# Altium PCB MAIN.PcbDoc
Units mm, origin at the board's own origin, x right, y up, seen from the top; angles counter-clockwise.
Board outline 85 x 50 mm, 2 copper layers (Top Layer, Bottom Layer), stack 1.571 mm thick; 37 components, 38 nets, 158 pads, 6 vias.
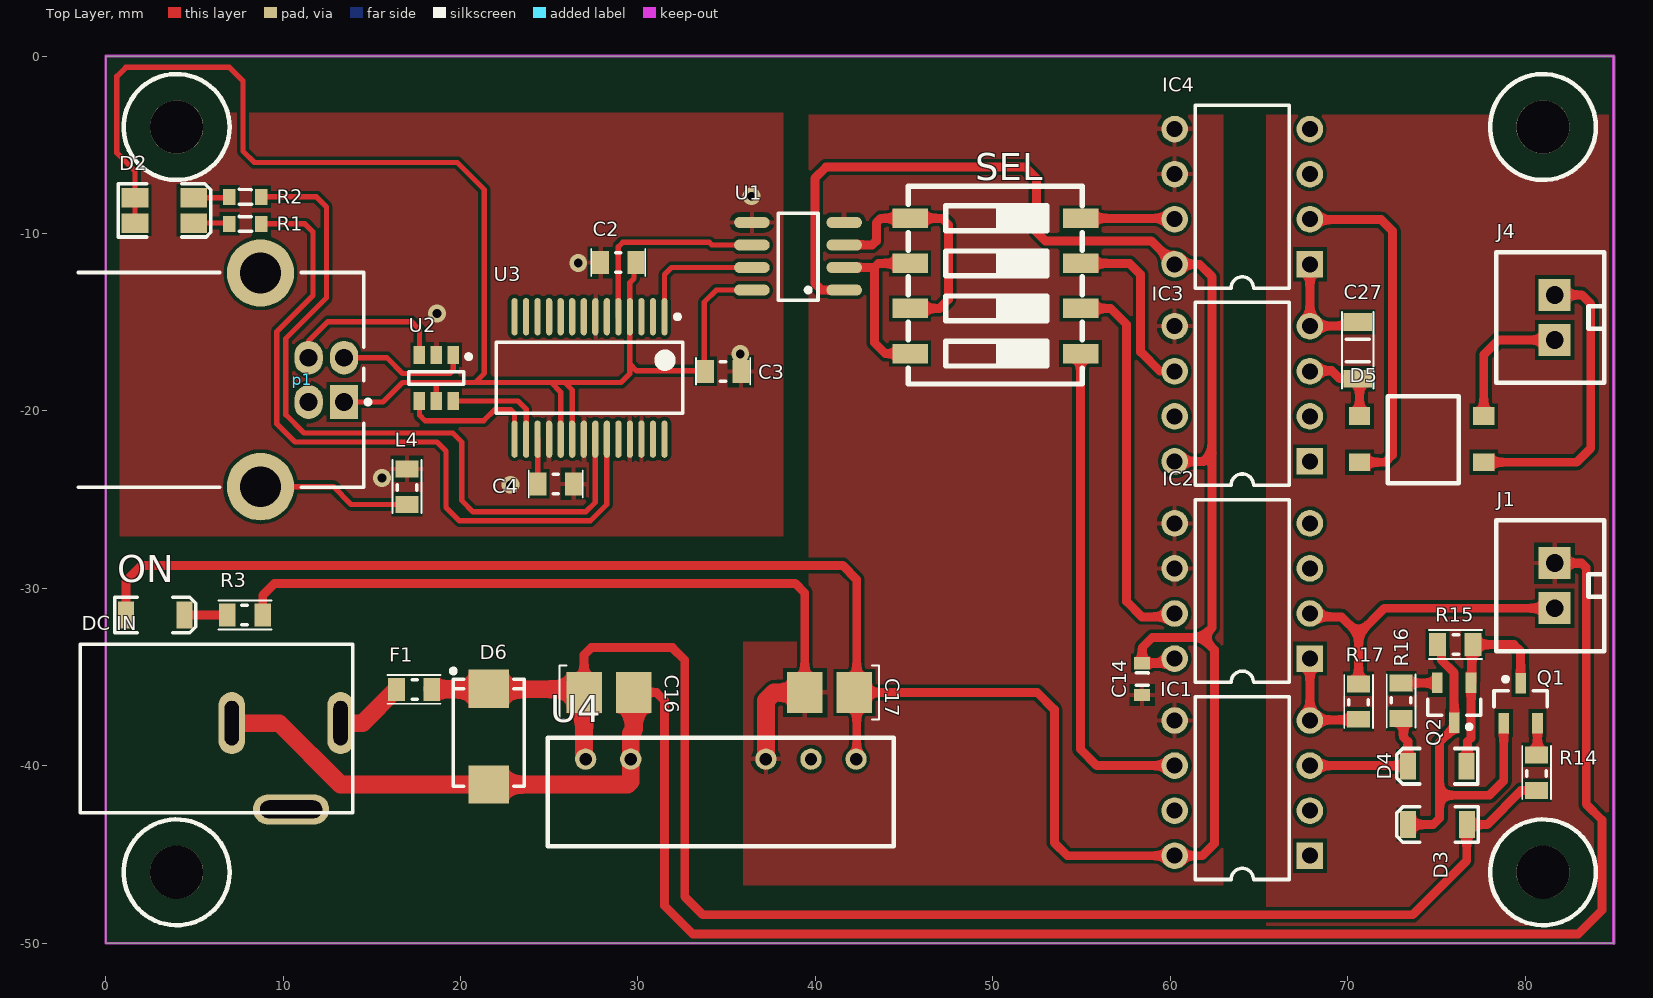
[diagram p0: Top Layer view]
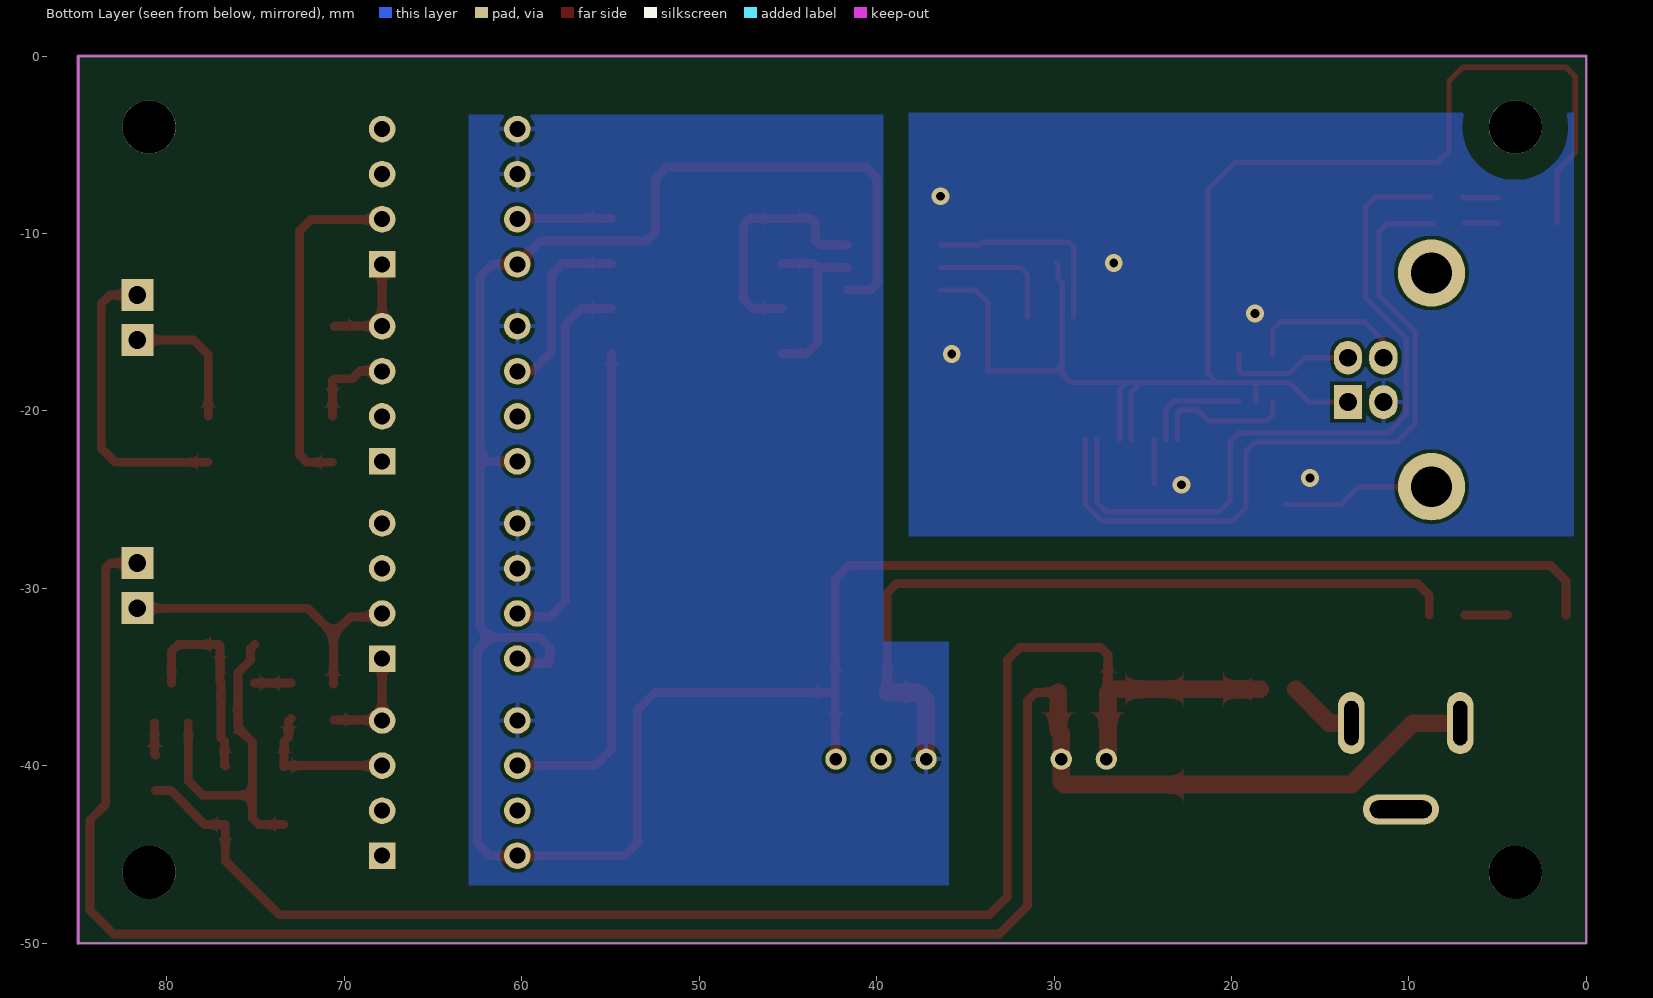
[diagram p1: Bottom Layer view, seen from below]
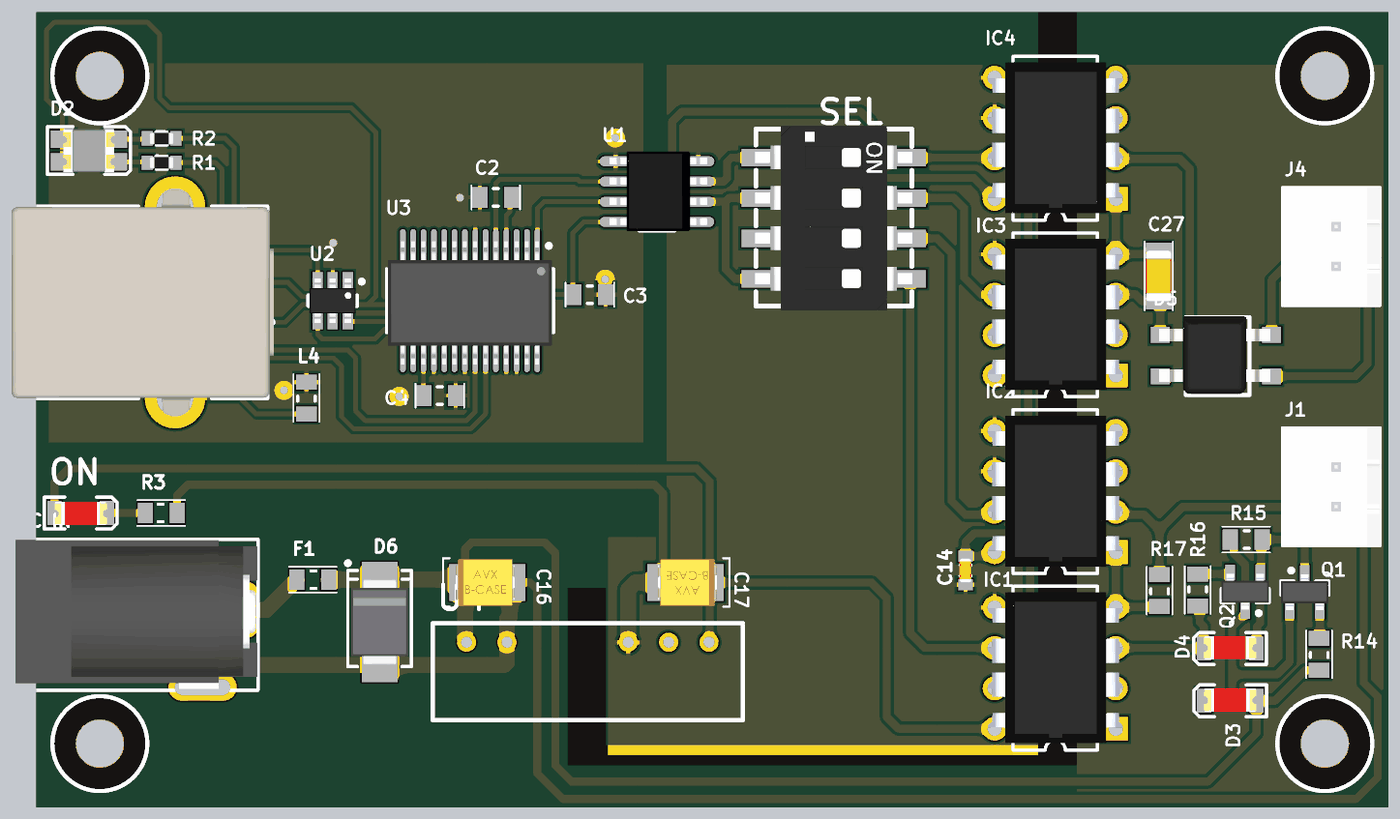
[diagram p2: 3D render of the assembled board from above, using the file's embedded part models]

## Layer stack, top to bottom
Top Solder: solder mask 0.0102, Solder Resist, Dk 3.5
Top Layer: signal copper 0.0356
Dielectric 1: dielectric 1.5, FR-4, Dk 4.8
Bottom Layer: signal copper 0.0356
Bottom Solder: solder mask 0.0102, Solder Resist, Dk 3.5

## Board outline
0,-50 0,0 85,0 85,-50

## Design rules (kind name [scope] priority, off if disabled: settings)
Clearance [All] p1: gap=0.2 ignorepadtopadclearanceinfootprint=FALSE
PolygonConnect PolygonConnect_1 [(InNet('GND') OR InNet('GND1') OR InNet('GND2') OR InNet('GND3')) vs IsVia] p1: connectstyle=Direct reliefconductorwidth=0.254 reliefentries=4 polygonreliefangle="90 Angle" airgapwidth=0.254
PolygonConnect [All] p2: connectstyle=Relief reliefconductorwidth=0.254 reliefentries=4 polygonreliefangle="90 Angle" airgapwidth=0.254
RoomDefinition MASTER [InComponentClass('MASTER')] p1: confinementstyle=ConfineIn formatcopy=TRUE lockcomponents=FALSE outline -4.318,-50.038 85,-50.038 85,-24.765 -4.318,-24.765
RoomDefinition SLAVE [InComponentClass('SLAVE')] p2: confinementstyle=ConfineIn formatcopy=TRUE lockcomponents=FALSE outline 57.137,-24.384 85,-24.384 85,-0.233 57.137,-0.233
RoomDefinition USB [InComponentClass('USB')] p3: confinementstyle=ConfineIn formatcopy=TRUE lockcomponents=FALSE outline -1.901,-27.178 44.2,-27.178 44.2,-2.697 -1.901,-2.697
RoutingVias [All] p1: holewidth=0.5 width=1 viastyle="Through Hole" minholewidth=0.5 minwidth=1 maxholewidth=5 maxwidth=1
SolderMaskExpansion [All] p1: expansion=0.102
Width [All] p1: maxlimit=1 minlimit=0.2 preferedwidth=0.3
30 further rules are at their usual default settings.

## Classes and differential pairs
component class Main: SEL
component class MASTER: C14 C16 C17 D3 D4 D6 "DC IN" F1 IC1 IC2 J1 ON Q1 Q2 R3 R14 R15 R16 R17 U4
component class SLAVE: C27 D5 IC3 IC4 J4
component class USB: C2 C3 C4 D2 L4 p1 R1 R2 U1 U2 U3

## Components (designator, comment, footprint, x,y, rotation, side; value= is the part's Value field where it differs from the comment)
C2 "100nF" C805 28.888,-11.642 r0 top
C3 "100nF" C805 34.798,-17.765 r180 top
C4 "100nF" C805 25.366,-24.109 r180 top
C14 "100nF" C603 58.417,-35.107 r90 top
C16 "10uF" CAP-TAN-B 28.232,-35.865 r0 top
C17 "10uF" CAP-TAN-B 40.932,-35.865 r180 top
C27 "1nF" C1206 70.561,-16.586 r90 top
D2 "LED-RG" LED-1210 3.306,-8.696 r0 top
D3 "LED" LED-1206 75.057,-43.307 r180 top
D4 "LED" LED-1206 75.041,-40.022 r180 top
D5 "HD08" MINIDIP 74.041,-21.59 r0 top
D6 "SMBJ12A" DO-214AA 21.59,-38.354 r0 top
"DC IN" "JACK" jack-dc 7.471,-41.112 r90 top
F1 "Fuse 1" PTC-0805 17.391,-35.678 r180 top
IC1 "HCPL-4100" DIP-8 64.259,-41.711 r90 top
IC2 "HCPL-4200" DIP-8 64.259,-30.601 r90 top
IC3 "HCPL-4100" DIP-8 64.259,-19.492 r90 top
IC4 "HCPL-4200" DIP-8 64.259,-8.382 r90 top
J1 "CONN-2" XH-2 81.661,-31.115 r90 top
J4 "CONN-2" XH-2 81.661,-16.002 r90 top
L4 "1K" r805 16.986,-24.267 r90 top
ON "LED" LED-1206 2.794,-31.496 r0 top
p1 "USB Connector" USB2-B-R -1.573,-18.247 r180 top
Q1 "BC856ALT1" SOT-23 79.74,-36.466 r90 top
Q2 "BC846ALT1" SOT-23 75.996,-36.448 r270 top
R1 "330" R0603 7.878,-9.458 r180 top
R2 "330" R0603 7.878,-7.934 r180 top
R3 "220" R805 7.858,-31.496 r0 top
R14 "100" R805 80.645,-40.386 r90 top
R15 "330K" R805 76.057,-33.164 r180 top
R16 "100" R805 73.009,-36.339 r270 top
R17 "470" R805 70.609,-36.377 r90 top
SEL "SW-DIP4" DIPSW-4-SMD 50.139,-12.954 r270 top
U1 "ADUM1201" soic-8n 41.622,-13.187 r180 top
U2 "USBLC6-2" SOT-23-6 18.635,-18.14 r270 top
U3 "FT232RL" SSOP-28N 27.271,-18.14 r270 top
U4 "MAU202" MAU202 34.671,-39.624 r0 top

## Footprints (in the part's own frame and the unit in brackets; to place one, negate y for a bottom-side part, rotate by r counter-clockwise, add the part's x,y. Pads: shape width x height; smd on the part's side, far side on the other; paste and mask are expansions set on the pad)
C603 [mm]
  rect 0.7x0.9 smd: 1(-0.9,0) 2(0.9,0)
  silkscreen extent -0.35,-0.34 0.35,0.34, body extent -0.76,-0.38 0.76,0.38, height 0.6
C805 [mm]
  rect 0.95x1.3 smd: 1(-1,0) 2(1,0)
  silkscreen extent -1.52,-0.76 1.52,0.76, body extent -1,-0.62 1,0.63, height 0.78
C1206 [mm]
  rect 1x1.6 smd: 1(1.6,0) 2(-1.6,0)
  silkscreen extent -2.16,-0.89 2.16,0.89, body extent -1.6,-0.8 1.6,0.8, height 1
CAP-TAN-B [mm]
  rect 2x2.3 smd: 1(-1.27,0)
  rect 1.999x2.3 smd: 2(1.53,0)
  silkscreen extent -2.65,-1.52 -2.26,1.52, body extent -1.85,-1.46 1.85,1.47, height 2.03
DIP-8 [mm]
  rect 1.5x1.5 hole 0.9: 1(-3.353,-3.607)
  round 1.5 hole 0.9: 2(-0.813,-3.607) 3(1.727,-3.607) 4(4.267,-3.607) 5(4.267,4.013) 6(1.727,4.013) 7(-0.813,4.013) 8(-3.353,4.013)
  silkscreen extent -4.69,-2.45 5.61,2.85, body extent -4.27,-4.09 5.23,4.44, height 3.59
DIPSW-4-SMD [mm]
  rect 1.1x2 smd: 1(-3.81,-4.8) 2(-1.27,-4.8) 3(1.27,-4.8) 4(3.81,-4.8) 5(3.81,4.8) 6(1.27,4.8) 7(-1.27,4.8) 8(-3.81,4.8)
  silkscreen extent -5.61,-4.9 5.53,4.9, body extent -5.82,-4.95 5.81,4.95, height 4.05
DO-214AA [mm]
  rect 2.26x2.16 smd: 1(0,-2.7) 2(0,2.7)
  silkscreen extent -2.12,-2.8 2,3.82, body extent -1.8,-2.7 1.8,2.7, height 2.3
jack-dc [mm]
  oval 1.7x4.3 hole 1 slot 3.5 at 90 deg: 1(-1.339,-2.982)
  oval 3.5x1.5 hole 0.8 slot 2.5 at 0 deg: 2(3.52,-5.77) 3(3.52,0.359)
  silkscreen extent -1.53,-6.47 7.96,8.89, body extent -1.48,-6.43 7.92,8.77, height 11
LED-1206 [mm]
  rect 0.9x1.5 smd: 1(-1.651,0) 2(1.651,0)
  silkscreen extent -2.29,-1 2.29,1, body extent -1.65,-0.76 1.65,0.69, height 1.36
LED-1210 [mm]
  rect 1.5x1.1 smd: 1(-1.651,0.713) 2(-1.651,-0.713) 3(1.651,-0.713) 4(1.651,0.713)
  silkscreen extent -2.6,-1.5 2.62,1.5, body extent -1.62,-1.36 1.62,1.34, height 1.1
MAU202 [mm]
  round 1.2 hole 0.7: 1(-7.62,0) 2(-5.08,0) 5(2.54,0) 6(5.08,0) 7(7.62,0)
  silkscreen extent -9.75,-4.9 9.75,1.2, body extent -9.75,-5 9.75,1.2, height 9.7
MINIDIP [mm]
  rect 1.2x1 smd: 1(-3.381,1.3) 2(-3.381,-1.3) 3(3.619,-1.3) 4(3.619,1.3)
  silkscreen extent -1.78,-2.49 2.22,2.41, body extent -3.47,-2.44 3.53,2.46, height 2.65
PTC-0805 [mm]
  rect 0.95x1.3 smd: 1(1.008,0.009) 2(-0.992,0.009)
  silkscreen extent -1.49,-0.8 1.51,0.82, body extent -1.07,-0.67 1.07,0.67, height 0.66
R0603 [mm]
  rect 0.7x0.9 smd: 1(-0.9,0) 2(0.9,0)
  silkscreen extent -0.34,-0.42 0.34,0.42, body extent -0.76,-0.38 0.76,0.38, height 0.45
r805 [mm]
  rect 0.95x1.3 smd: 1(1,0) 2(-1,0)
  silkscreen extent -1.5,-0.81 1.5,0.81, body extent -1,-0.61 1,0.64, height 0.78
R805 [mm]
  rect 0.95x1.3 smd: 1(1,0) 2(-1,0)
  silkscreen extent -1.5,-0.81 1.5,0.81, body extent -1,-0.61 1,0.64, height 0.78
soic-8n [mm]
  oval 2x0.625 smd: 1(0,0) 2(0,-1.27) 3(0,-2.54) 4(0,-3.81) 5(5.2,-3.81) 6(5.2,-2.54) 7(5.2,-1.27) 8(5.2,0)
  silkscreen extent 1.48,-4.32 3.73,0.57, body extent -0.57,-4.43 5.6,0.57, height 2
SOT-23 [mm]
  rect 1.15x0.6 smd: 1(-1.125,0.95) 2(-1.125,-0.95) 3(1.125,0)
  silkscreen extent -0.2,-1.5 1.47,1.5, body extent -1.13,-1.5 1.13,1.5, height 1.2
SOT-23-6 [mm]
  rect 1x0.65 smd: 1(-1.3,0.95) 2(-1.3,0) 3(-1.3,-0.95) 4(1.3,-0.95) 5(1.3,0) 6(1.3,0.95)
  silkscreen extent -1.32,-1.55 0.35,1.95, body extent -1.4,-1.45 1.4,1.45, height 1.45
SSOP-28N [mm]
  oval 2.1x0.35 smd: 1(-3.45,4.225) 2(-3.45,3.575) 3(-3.45,2.925) 4(-3.45,2.275) 5(-3.45,1.625) 6(-3.45,0.975) 7(-3.45,0.325) 8(-3.45,-0.325) 9(-3.45,-0.975) 10(-3.45,-1.625) 11(-3.45,-2.275) 12(-3.45,-2.925) 13(-3.45,-3.575) 14(-3.45,-4.225) 15(3.45,-4.225) 16(3.45,-3.575) 17(3.45,-2.925) 18(3.45,-2.275) 19(3.45,-1.625) 20(3.45,-0.975) 21(3.45,-0.325) 22(3.45,0.325) 23(3.45,0.975) 24(3.45,1.625) 25(3.45,2.275) 26(3.45,2.925) 27(3.45,3.575) 28(3.45,4.225)
  silkscreen extent -3.57,-5.25 2,5.25, body extent -3.73,-5.17 4.02,5.16, height 2.15
USB2-B-R [mm] "Connector; USB1.1, Type B, Thru-Hole; 4 Position; Right Angle"
  rect 1.6x1.9 hole 1: 1(-15.01,1.25)
  oval 1.6x1.9 hole 1: 2(-15.01,-1.25) 3(-13.01,-1.25) 4(-13.01,1.25)
  round 3.8 hole 2.3: 5(-10.3,6.02) 6(-10.3,-6.02)
  silkscreen extent -16.49,-6.05 -0.02,6.05, body extent -16.51,-7.45 -0.01,7.45, height 10.95
XH-2 [mm]
  rect 1.8x1.8 hole 1: 1(0,0) 2(2.54,0)
  silkscreen extent -2.41,-2.79 4.95,3.3, body extent -2.43,-2.8 4.97,3.3, height 7

## Part data
C2 C3 C4 C14 C27: library part Cap, "Capacitor", Designer="Parsa Malekpour"
C16 C17: library part CAP-POL, "Polar Capacitor", Voltage=10V
D2: library part LED-RG-4
D6: library part SMBJxxA, "Surface Mount Transient Voltage Suppressors Diode"
"DC IN": library part JACK-DC
F1: "Fuse", LatestRevisionDate=17-Jul-2002, LatestRevisionNote="Re-released for DXP Platform.", PackageDescription="Thru-Hole; 2 Leads", PackageReference=PIN-W2/E2.8, Published=8-Jun-2000, Publisher="Altium Limited"
IC1 IC3: "<b>Isolation Amplifer</b><p> Source: http://www.avagotech.com/docs/AV02-0410EN", Package=None, Availability=Unavailable, MF="{'manufacturer': u'Broadcom Limited'}", MP=HCPL-4100, Price=None
IC2 IC4: "Optically Coupled 20 mA Current Loop Receiver", Package=None, Availability=Unavailable, MF="{'manufacturer': u'Broadcom Limited'}", MP=HCPL-4100, Price=None
L4: library part "Ferrite Bead", "FERRITE BEAD", Code_IEC=1005, Code_JEITA=0402, LatestRevisionDate=29-May-2009, LatestRevisionNote="IPC-7351 Footprint Added.", PackageDescription="Chip Inductor", Published=8-Jun-2000, Publisher="Altium Limited"
p1: library part USB2-B, "USB Connector-B Type", Adding Date=10/26/2010, Company="DASE Co", Designer="Eng. Saeid Jorablo"
Q1: "General Purpose Transistor PNP Silicon", ComponentLink1Description="Manufacturer Link", ComponentLink1URL=http://www.onsemi.com/site/products/landing?taxonomyID=194, ComponentLink2Description=Datasheet, ComponentLink2URL=http://www.onsemi.com/pub/Collateral/BC856ALT1-D.PDF, DatasheetVersion=1997, LatestRevisionDate=17-Jul-2002, LatestRevisionNote="Re-released for DXP Platform.", PackageDescription="SOT-23; 3 Leads; Body 3.0 x 2.6 mm, inc. leads (LxW max)", PackageReference=318-08, PackageVersion=1997, Published=29-Sep-2000, Publisher="Altium Limited"
Q2: "General Purpose Transistor NPN Silicon", ComponentLink1Description="Manufacturer Link", ComponentLink1URL=http://www.onsemi.com/site/products/landing?taxonomyID=194, ComponentLink2Description=Datasheet, ComponentLink2URL=http://www.onsemi.com/pub/Collateral/BC846ALT1-D.PDF, DatasheetVersion=1997, LatestRevisionDate=17-Jul-2002, LatestRevisionNote="Re-released for DXP Platform.", PackageDescription="SOT-23; 3 Leads; Body 3.0 x 2.6 mm, inc. leads (LxW max)", PackageReference=318-08, PackageVersion=1997, Published=29-Sep-2000, Publisher="Altium Limited"
R1 R2 R3 R14 R15 R16 R17: library part Resistor, "Resistor", Designer="Parsa Malekpour"
SEL: "DIP Switch", LatestRevisionDate=17-Jul-2002, LatestRevisionNote="Re-released for DXP Platform.", PackageReference=DIP-8, Published=24-Mar-1999, Publisher="Altium Limited"
U1: "Dual-Channel Digital Isolators", Package=None, Availability=Unavailable, MF="{'manufacturer': u'Analog Devices'}", MP=ADUM1201AR, Price=None
U2: "Very low capacitance ESD protection"
U4: "1W, FIXED INPUT ISOLATED & UNREGULATED / SINGLE OUTPUT DC-DC CONVERTER"

## Free pads (board coordinates)
  round 3 hole 3 mask+1.5: 2(4,-4) 2(4,-46) 2(81,-46) 2(81,-4)

## Via types
v1: diameter 1, hole 0.5, Top Layer to Bottom Layer, 4 vias
v2: diameter 1, hole 0.5, Top Layer to Bottom Layer, tented both sides, 2 vias

## Nets (pads, with @x,y where several pads share a name; then routed paths per layer and width w, separated by ;. In a path a pad name is that pad's centre, name@x,y a point inside that pad or via, vN(x,y) a via of type N, cw(c..) or ccw(c..) an arc to the next point about the centre after c; other vN are vias at no path point)
+3.3V: C14.2 C17.1 IC1.8 IC2.8 IC3.8 IC4.8 ON.1 U1.1 U4.7 | length 158.4
  Top Layer w0.3: IC2.8@60.213,-34.175 IC2.8@60.246,-34.142
  Top Layer w0.5: ON.1 1.143,-29.591 2.032,-28.702 41.529,-28.702 42.329,-29.502 C17.1@42.329,-35.865 ; U1.1 40.352,-13.187 39.971,-12.806 39.971,-6.888 40.606,-6.253 51.816,-6.253 52.451,-6.888 52.451,-9.906 52.959,-10.414 58.925,-10.414 IC4.8 61.646,-11.735 62.357,-12.446 62.357,-22.352 ; U4.7@42.329,-39.675 C17.1@42.329,-35.865 ; IC2.8@60.213,-34.175 60.181,-34.207 C14.2 58.417,-33.329 58.98,-32.766 61.794,-32.766 ; IC3.8 61.864,-22.845 62.357,-22.352 ; C17.1@42.329,-35.865 52.502,-35.865 53.467,-36.83 53.467,-44.323 54.208,-45.064 IC1.8 61.795,-45.064 62.481,-44.378 62.481,-33.453 61.794,-32.766 ; 61.794,-32.766 62.357,-32.203 62.357,-22.352
+24V: C16.1 D3.1 D6.2 F1.2 R14.2 U4.1 | length 86.6
  Top Layer w0.5: C16.1 26.962,-33.744 27.366,-33.34 31.943,-33.34 32.639,-34.036 32.639,-47.371 33.655,-48.387 73.66,-48.387 76.708,-45.339 D3.1 77.851,-43.307 79.772,-41.386 R14.2
  Top Layer w1: F1.2 26.784,-35.687 C16.1 26.962,-39.535 U4.1
GND: C14.1 C17.2 IC1.5 IC2.5 IC2.6 IC3.5 IC4.5 IC4.6 R3.1 U1.4 U4.5 | length 43.4
  Top Layer w0.5: R3.1 8.858,-30.385 9.525,-29.718 38.862,-29.718 39.402,-30.258 C17.2
  Top Layer w1: U4.5 37.211,-36.322 37.668,-35.865 C17.2
GND2: C2.1 C3.1 C4.1 L4.1 p1.4 U1.5 U2.2 U3.7 U3.18 U3.21 U3.25 U3.26
  other v1: 22.813,-24.16 15.574,-23.779 35.767,-16.794 36.402,-7.904
  other v2: 18.673,-14.508 26.636,-11.663
GND3: "DC IN.3" C16.2 D6.1 J1.2 U4.2 | length 118.2
  Top Layer w0.5: C16.2 31.039,-35.865 31.496,-36.322 31.496,-47.879 33.092,-49.475 82.986,-49.475 84.328,-48.133 84.328,-43.053 83.439,-42.164 83.439,-28.829 83.185,-28.575 J1.2
  Top Layer w1: 7.112,-37.592 9.779,-37.592 13.241,-41.054 D6.1 29.431,-41.054 29.591,-40.894 U4.2 29.591,-38.182 29.762,-38.011 C16.2
NetC4_2: C4.2 U3.17 | length 2.5
  Top Layer w0.3: U3.17 24.346,-24.089 C4.2
NetC27_1: C27.1 IC3.4 IC4.1 | length 5.8
  Top Layer w0.5: IC3.4 IC4.1 ; IC3.4@68.275,-15.189 68.299,-15.213 70.538,-15.213 C27.1@70.561,-15.236
NetC27_2: C27.2 D5.1 IC3.3 | length 4.6
  Top Layer w0.5: IC3.3@68.275,-17.729 69.088,-17.729 69.545,-18.186 C27.2 70.66,-18.285 D5.1
NetD2_3: D2.3 R1.2 | length 1.9
  Top Layer w0.3: D2.3 6.802,-9.409 R1.2@6.851,-9.458
NetD2_4: D2.4 R2.2 | length 2
  Top Layer w0.3: D2.4 6.929,-7.983 R2.2
NetD3_2: D3.2 Q1.1 Q2.3 R15.1 | length 19.6
  Top Layer w0.5: D3.2 74.803,-43.307 75.168,-42.942 75.168,-41.656 ; R15.1 75.282,-33.389 75.282,-34.048 75.996,-34.762 Q2.3 75.996,-37.848 75.168,-38.676 75.168,-41.656 ; Q1.1 78.79,-40.844 77.978,-41.656 75.168,-41.656
NetD4_1: D4.1 Q1.3 Q2.1 R15.2 | length 11.6
  Top Layer w0.5: D4.1 76.746,-39.968 76.746,-38.625 76.946,-38.425 Q2.1 76.996,-35.273 76.996,-33.225 R15.2 79.359,-33.164 79.74,-33.545 Q1.3
NetD4_2: D4.2 IC1.3 R16.1 | length 8.3
  Top Layer w0.5: IC1.3 D4.2@73.241,-39.984 ; R16.1@72.987,-37.317 R16.1 73.136,-37.466 73.136,-38.371 73.39,-38.625 D4.2 D4.2@73.416,-40.048
NetD5_2: D5.2 IC4.2 | length 19.2
  Top Layer w0.5: IC4.2@68.275,-9.22 71.882,-9.22 72.517,-9.855 72.517,-22.479 72.106,-22.89 D5.2
NetD5_3: D5.3 J4.2 | length 16.7
  Top Layer w0.5: D5.3 82.901,-22.89 83.693,-22.098 83.693,-13.97 83.185,-13.462 J4.2
NetD5_4: D5.4 J4.1 | length 7.8
  Top Layer w0.5: D5.4 77.66,-16.828 78.486,-16.002 J4.1
"NetDC IN_2": "DC IN.2" F1.1 | length 3.9
  Top Layer w1: 13.241,-37.592 14.478,-37.592 F1.1
NetIC1_4: IC1.4 IC2.1 R17.2 | length 6
  Top Layer w0.5: IC1.4 IC2.1@67.866,-34.142 ; IC1.4@67.899,-37.411 R17.2@70.576,-37.411
NetIC1_6: IC1.6 SEL.5 | length 28
  Top Layer w0.5: SEL.5 54.939,-39.064 55.859,-39.984 IC1.6
NetIC2_2: IC2.2 J1.1 R17.1 | length 17.6
  Top Layer w0.5: IC2.2@67.866,-31.602 69.644,-31.602 70.609,-32.567 ; R17.1 70.609,-32.567 ; J1.1 72.061,-31.115 70.609,-32.567
NetIC2_7: IC2.7 SEL.6 | length 21.7
  Top Layer w0.5: SEL.6 56.642,-14.224 57.531,-15.113 57.531,-30.734 58.399,-31.602 IC2.7@60.246,-31.602
NetIC3_6: IC3.6 SEL.7 | length 10.4
  Top Layer w0.5: SEL.7 57.693,-11.684 58.328,-12.319 58.328,-16.672 59.421,-17.765 IC3.6
NetIC4_7: IC4.7 SEL.8 | length 5.3
  Top Layer w0.5: SEL.8 60.195,-9.144 IC4.7
NetL4_2: L4.2 p1.5 p1.6 | length 8
  Top Layer w0.3: p1.5@9.359,-24.267 12.837,-24.267 13.837,-25.267 L4.2
NetON_2: ON.2 R3.2 | length 2.4
  Top Layer w0.5: ON.2 R3.2
Netp1_2: p1.2 U2.1 | length 6.8
  Top Layer w0.3: p1.2@14.069,-16.997 15.841,-16.997 16.73,-17.886 19.397,-17.886 19.585,-17.698 U2.1
Netp1_3: p1.3 U2.3 | length 9.2
  Top Layer w0.3: p1.3 11.437,-16.067 12.539,-14.965 17.238,-14.965 17.364,-15.091 17.685,-15.412 U2.3
NetQ1_2: Q1.2 R14.1 | length 1.8
  Top Layer w0.5: R14.1 80.69,-39.341 Q1.2 Q1.2@80.699,-37.6
NetQ2_2: Q2.2 R16.2 | length 2
  Top Layer w0.5: R16.2 73.017,-35.331 75.038,-35.331 Q2.2
NetR1_1: R1.1 U3.23 | length 41.7
  Top Layer w0.3: R1.1@8.651,-9.458 R1.1 11.24,-9.458 11.688,-9.906 11.688,-13.492 9.652,-15.528 9.652,-20.727 10.672,-21.747 18.673,-21.747 19.181,-22.255 19.181,-25.43 19.943,-26.192 27.309,-26.192 28.246,-25.255 U3.23
NetR2_1: R2.1 U3.22 | length 42
  Top Layer w0.3: R2.1 11.875,-7.934 12.45,-8.509 12.45,-13.619 10.152,-15.917 10.152,-20.211 11.18,-21.239 19.562,-21.239 20.07,-21.747 20.07,-25.049 20.705,-25.684 27.055,-25.684 27.596,-25.143 U3.22
NetSEL_1: SEL.1 SEL.3 U1.3 | length 13.8
  Top Layer w0.5: U1.3 43.201,-10.647 43.434,-10.414 43.434,-9.398 43.688,-9.144 SEL.1 47.138,-9.144 47.498,-9.504 47.498,-13.716 46.99,-14.224 SEL.3
NetSEL_2: SEL.2 SEL.4 U1.2 | length 10.3
  Top Layer w0.5: U1.2 43.328,-11.917 ; SEL.4 43.942,-16.764 43.328,-16.15 43.328,-11.917 ; SEL.2 43.561,-11.684 43.328,-11.917
NetU1_6: U1.6 U3.5 | length 11.6
  Top Layer w0.3: U3.5 28.896,-10.745 29.142,-10.499 34.015,-10.499 34.163,-10.647 U1.6
NetU1_7: U1.7 U3.1 | length 7.5
  Top Layer w0.3: U3.1 31.496,-12.319 31.898,-11.917 U1.7
NetU2_4: U2.4 U3.15 | length 8.1
  Top Layer w0.3: U2.4 17.685,-20.238 18,-20.553 21.302,-20.553 21.915,-19.94 22.848,-19.94 22.952,-20.044 23.046,-20.138 U3.15
NetU2_6: U2.6 U3.16 | length 6
  Top Layer w0.3: U2.6 23.237,-19.44 23.696,-19.899 U3.16
VUSB: C2.2 C3.2 D2.1 D2.2 p1.1 U1.8 U2.5 U3.4 U3.19 U3.20 | length 87.5
  Top Layer w0.3: D2.2 D2.1 1.655,-6.481 0.635,-5.461 0.635,-1.143 1.143,-0.635 6.985,-0.635 7.747,-1.397 7.747,-5.364 8.382,-5.999 19.816,-5.999 21.34,-7.523 21.34,-17.886 20.832,-18.394 ; p1.1@14.069,-19.497 15.627,-19.497 16.73,-18.394 18.459,-18.394 ; U2.5 18.635,-18.57 18.459,-18.394 ; U3.19 25.646,-18.928 25.112,-18.394 ; U3.20 26.296,-18.816 25.874,-18.394 ; C2.2 29.777,-11.753 29.777,-12.531 29.546,-12.762 U3.4 29.546,-17.357 ; U1.8 34.417,-13.187 33.73,-13.874 33.73,-17.738 29.927,-17.738 29.546,-17.357 ; 18.459,-18.394 20.832,-18.394 ; 20.832,-18.394 25.112,-18.394 ; 25.112,-18.394 25.874,-18.394 ; 25.874,-18.394 29.049,-18.394 29.546,-17.897 29.546,-17.357
pads on no net: "DC IN.1" IC1.1 IC1.2 IC1.7 IC2.3 IC2.4 IC3.1 IC3.2 IC3.7 IC4.3 IC4.4 U3.2 U3.3 U3.6 U3.8 U3.9 U3.10 U3.11 U3.12 U3.13 U3.14 U3.24 U3.27 U3.28 U4.6

## Polygon pours and split planes (outlines as drawn)
GND3 on Top Layer "GND3_L01_P026" (solid, pour order 26): 65.405,-3.302 65.405,-50 85,-50 85,-3.302
GND on Top Layer "GND_L01_P024" (solid, pour order 24): 39.624,-3.302 39.624,-33.02 35.941,-33.02 35.941,-46.736 62.992,-46.736 62.992,-3.302
GND2 on Top Layer "GND2_L01_P017" (solid, pour order 17): 38.18,-3.205 0.792,-3.205 0.792,-27.051 38.18,-27.051
GND on Bottom Layer "GND_L02_P028" (solid, pour order 28): 39.624,-3.302 39.624,-33.02 35.941,-33.02 35.941,-46.736 62.992,-46.736 62.992,-3.302
GND2 on Bottom Layer "GND2_L02_P021" (solid, pour order 21): 38.18,-3.205 0.715,-3.205 0.715,-27.051 38.18,-27.051

## Keep-outs
Keep-Out Layer:
  the board outline again, w0.2

## Other copper
Multi-Layer:
  pour cut-out: 81,-6.984 cw(c81,-4) 78.016,-4 cw(c81,-4) 81,-1.016 cw(c81,-4) 83.984,-4 cw(c81,-4)
  pour cut-out: 81,-48.984 cw(c81,-46) 78.016,-46 cw(c81,-46) 81,-43.016 cw(c81,-46) 83.984,-46 cw(c81,-46)
  pour cut-out: 4,-48.984 cw(c4,-46) 1.016,-46 cw(c4,-46) 4,-43.016 cw(c4,-46) 6.984,-46 cw(c4,-46)
  pour cut-out: 4,-6.984 cw(c4,-4) 1.016,-4 cw(c4,-4) 4,-1.016 cw(c4,-4) 6.984,-4 cw(c4,-4)

## Silkscreen, mask and mechanical layers (free items; w line width, h text height)
Top Overlay:
  circle w0.254: c81,-4 r2.984
  circle w0.254: c81,-46 r2.984
  circle w0.254: c4,-46 r2.984
  circle w0.254: c4,-4 r2.984
Top Solder:
  region: 65.405,-47.371 65.405,-46.101 35.433,-46.101 35.433,-47.371
  rectangle: 33.401,-47.371 35.814,-36.195
  rectangle: 62.992,-47.371 65.405,0

## Text inside footprints (layer, text, board x,y; h text height)
p1: Mechanical 1 "PCB Edge" at -1.248,-12.595 h0.25 r270